# Altium PCB F405.PcbDoc (part 1 of 2) (continued)
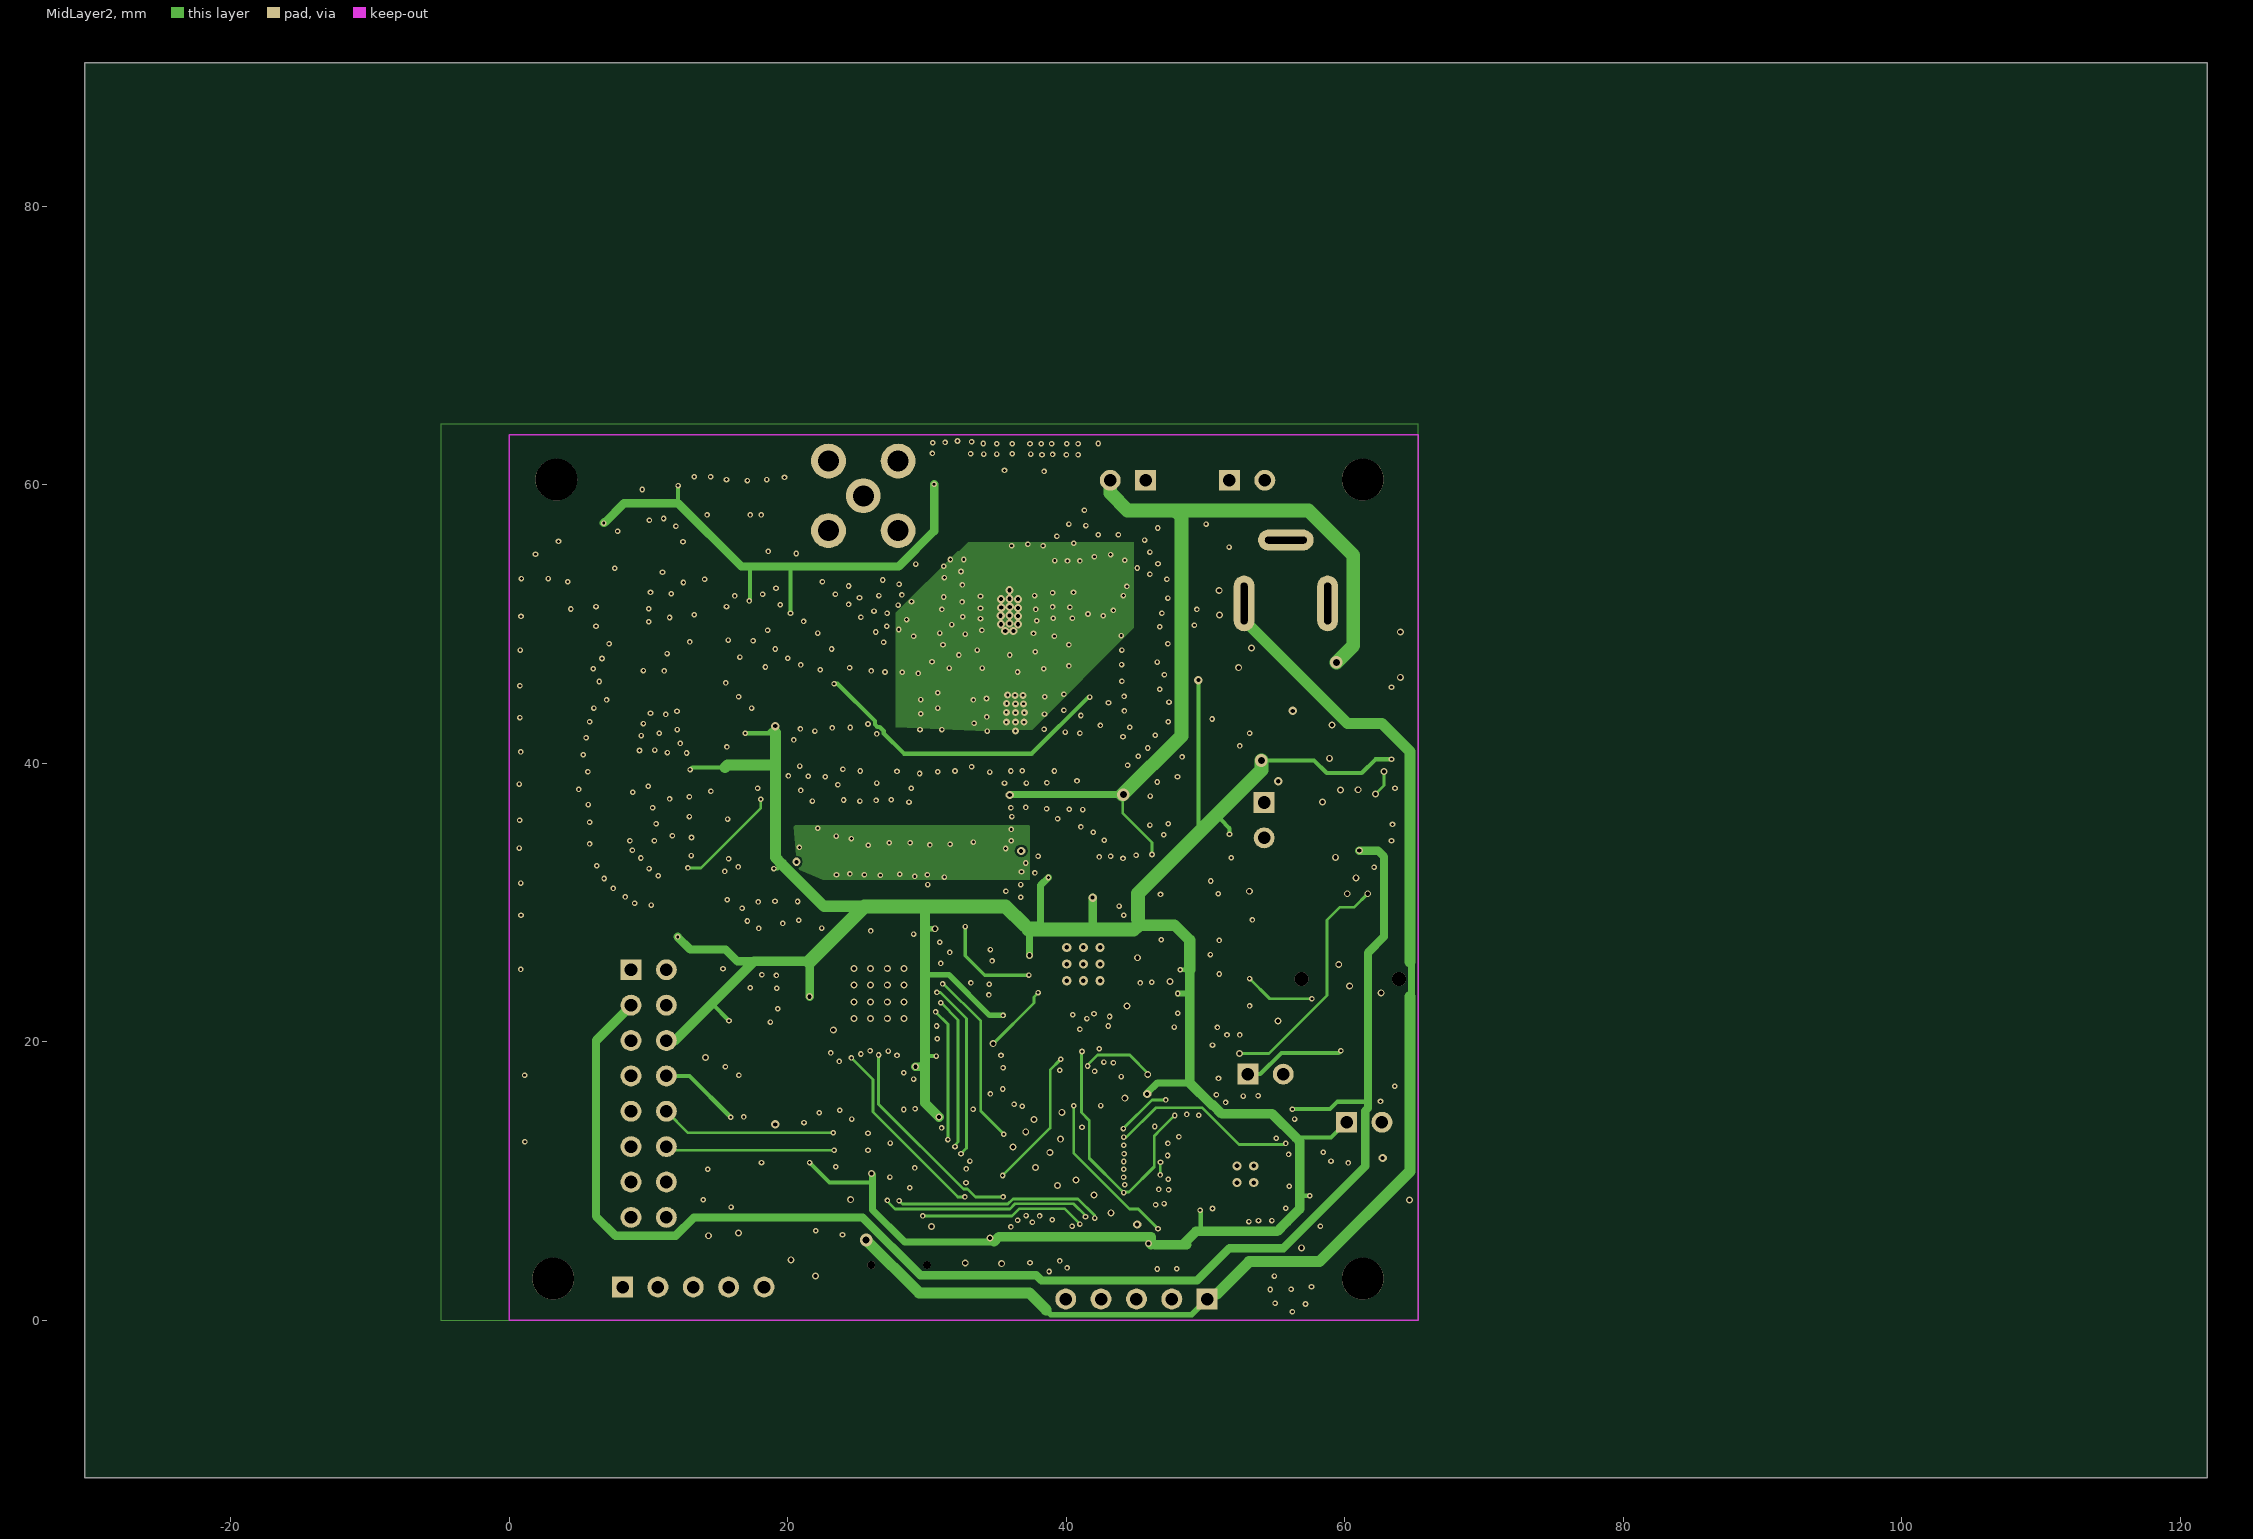
[diagram p3: MidLayer2]
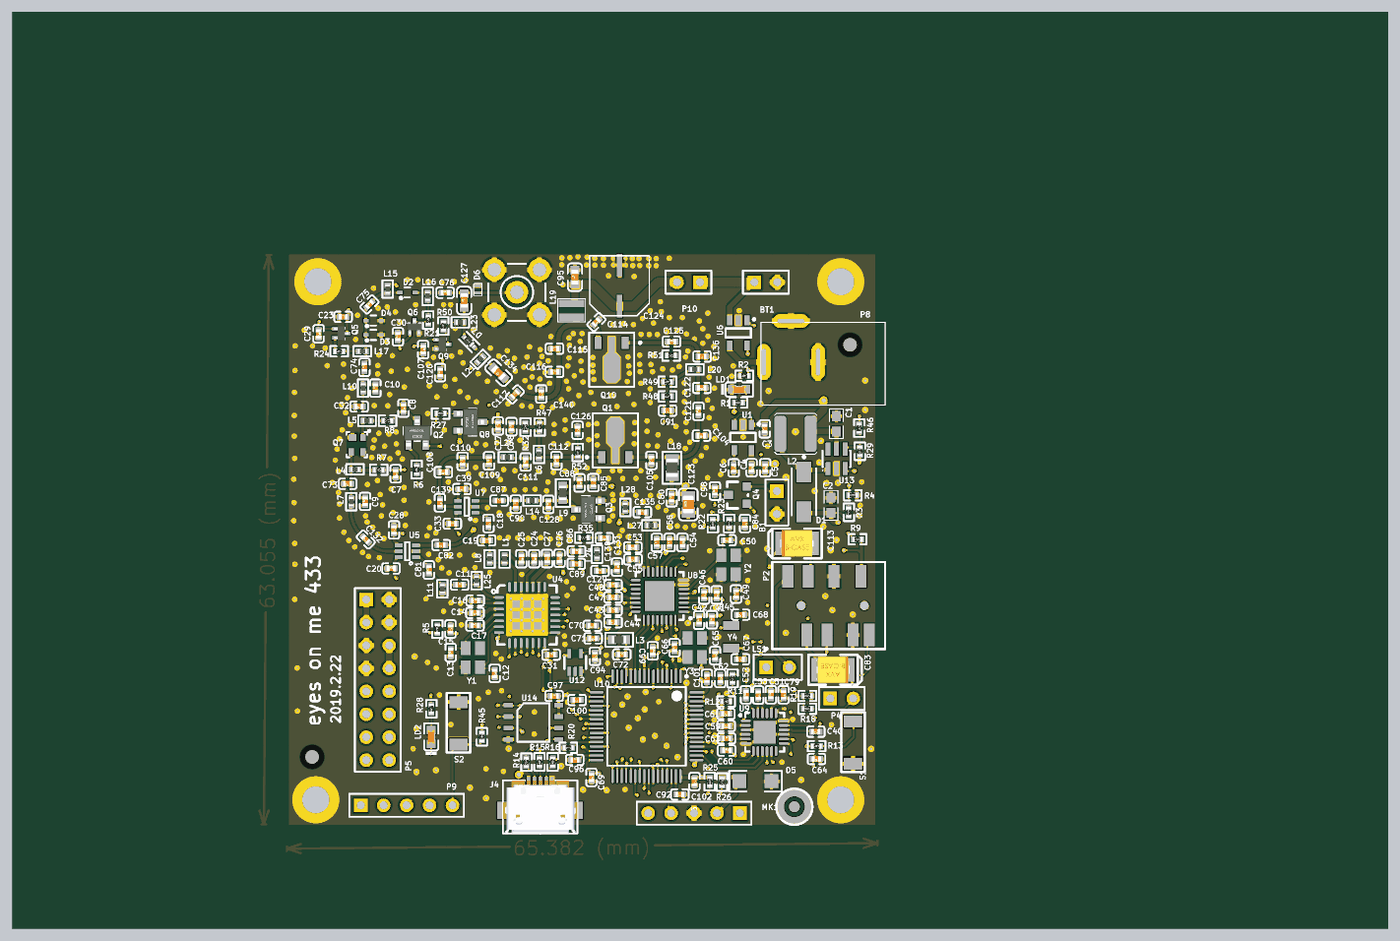
[diagram p5: 3D render of the assembled board from above, using the file's embedded part models]

## Layer stack, top to bottom
Top Solder: solder mask 0.0102, Solder Resist, Dk 3.5
Top Layer: signal copper 0.035
Dielectric1: core 0.2, FR-4, Dk 4.3
MidLayer1: signal copper 0.0356
Dielectric2: prepreg 1.12, FR-4, Dk 4.3
MidLayer2: signal copper 0.0356
Dielectric3: core 0.2, FR-4, Dk 4.3
Bottom Layer: signal copper 0.035
Bottom Solder: solder mask 0.0102, Solder Resist, Dk 3.5

## Board outline
-30.48,-11.303 121.92,-11.303 121.92,90.297 -30.48,90.297

## Design rules (kind name [scope] priority, off if disabled: settings)
Clearance Clearance_1 [All vs HasFootprint('SMB_V-RJ45')] p1: gap=0.15 ignorepadtopadclearanceinfootprint=FALSE except(0: Arc-Hole Track-Hole SMDPad-Hole THPad-Hole Via-Hole Fill-Poly Fill-Hole Poly-Hole Region-Hole Text-Hole; 0.5: THPad-Poly)
Clearance [All] p2: gap=0.15 ignorepadtopadclearanceinfootprint=FALSE except(0: Arc-Hole Track-Hole SMDPad-Hole THPad-Hole Via-Hole Fill-Poly Fill-Hole Poly-Hole Region-Hole Text-Hole; 0.254: THPad-Poly)
ComponentClearance [All] p1: gap=0 collisioncheckmode=3 verticalgap=0 showdistances=FALSE
PlaneConnect [All] p1 off: planeconnectstyle=Direct reliefexpansion=0.508 reliefentries=4 reliefconductorwidth=0.254 reliefairgap=0.254
PolygonConnect PolygonConnect_3 [All vs HasFootprint('BGB717L7ESD')] p1: connectstyle=Relief reliefconductorwidth=0.6 reliefentries=4 polygonreliefangle="90 Angle" airgapwidth=0.254
PolygonConnect PolygonConnect_2 [All vs InComponent('U4')] p2: connectstyle=Direct reliefconductorwidth=0.254 reliefentries=4 polygonreliefangle="90 Angle" airgapwidth=0.254
PolygonConnect PolygonConnect_1 [All vs HasFootprint('SMB_V-RJ45')] p3: connectstyle=Relief reliefconductorwidth=0.6 reliefentries=4 polygonreliefangle="90 Angle" airgapwidth=0.3
PolygonConnect [All vs HasFootprint ('SMA END LAUNCH JACK RECEPTACLE SHORT')  or HasFootprint ('LC-TO-252-5')] p4: connectstyle=Relief reliefconductorwidth=1.2 reliefentries=4 polygonreliefangle="90 Angle" airgapwidth=0.254
PolygonConnect "PolygonConnect SAW SMD PACKAGE" [InNet('GND') vs HasFootprint('7.0X5.0MM SMD PACKAGE')   or  HasFootprint('DCC6C_3.0X3.0MM')  or HasFootprint('MIC 6X2.7') or HasFootprint('HDR2X3_CEN')   or HasFootprint('HDR1X5')    or HasFootprint('电源插座') or HasFootprint('AVX_D_7343-31')   or HasFootprint('CJA1117')   or HasFootprint('MSD1260-473MLB') or HasFootprint('sop8') or HasFootprint('SMB_V-RJ45')  or Hasfootprint('SMA')   or HasFootprint('LC-CASE-B_3528')  or  Hasfootprint('1210')  or Hasfootprint('sot89')   or HasFootprint('Header 8X2A')] p5: connectstyle=Relief reliefconductorwidth=0.65 reliefentries=4 polygonreliefangle="90 Angle" airgapwidth=10
PolygonConnect "PolygonConnect SMD" [InNet('GND') vs HasFootprint('nd3225da - nd2520da') or HasFootprint('DD10_L') or HasFootprint('MSOP8')  or  HasFootprint('vqfn28_6x6mm') or HasFootprint('SOIC-SN8_L')  or HasFootprint('rlc_1206_smd capa pol') or HasFootprint('rlc_603_smd') or HasFootprint('rlc_402_smd') or HasFootprint('rlc_402_smd diode') or hasFootprint('rlc_805_smd') or HasFootprint('rlc_1210_smd')   or HasFootprint('MiniMold-6') or HasFootprint('DFN8_ 5x6mm') or HasFootprint('SC70-6') or HasFootprint('0603-2')    or HasFootprint('DIODE-SMA')  or HasFootprint('LC-SC-75(SOT-523)')    or HasFootprint('0402')     or HasFootprint('0603-1')   or HasFootprint('1206')   or HasFootprint('轻触开关/3x6x2.5')  or HasFootprint('LC-SOT-353')   or HasFootprint('SW-SPST')  or HasFootprint('W25Q64')  or     HasFootprint('LC-0402_C') or  HasFootprint('LC-0402_r')or HasFootprint('LC-0402_L')  or HasFootprint('TSLP-2-20')or HasFootprint('SC-79') or HasFootprint('LC-SOT-23(SOT-23-3)')or  HasFootprint('0603_C')  or HasFootprint('0603_L')or HasFootprint('0402_L') or HasFootprint('0402_R')  or  HasFootprint('0402_C') or HasFootprint('PJ30930-Q')or HasFootprint('0603_LED_S1') or HasFootprint('0805_C')   or HasFootprint('BFP740')   or HasFootprint('6.3x7.7')] p6: connectstyle=Relief reliefconductorwidth=0.4 reliefentries=4 polygonreliefangle="90 Angle" airgapwidth=10
PolygonConnect PolygonConnect_comp_diverse [InNet('GND') vs HasFootprint('CD1608-0603') or  HasFootprint('HDR34 Header') or  HasFootprint('BRIDGE_254MM') or  HasFootprint('pin_1mm') or HasFootprint('SMA_END_LAUNCH_JACK_RECEPTACLE') or HasFootprint('SMA END LAUNCH JACK RECEPTACLE SH')   or HasFootprint('HDR2X4_CEN') or HasFootprint('HDR1X2') or HasFootprint('HDR2X8_CEN')] p7: connectstyle=Relief reliefconductorwidth=0.6 reliefentries=4 polygonreliefangle="90 Angle" airgapwidth=0.254
PolygonConnect PolygonConnect_all [All] p8: connectstyle=Direct reliefconductorwidth=0.6 reliefentries=4 polygonreliefangle="90 Angle" airgapwidth=0.254
RoutingCorners [All] p1: cornerstyle=Round minsetback=1 maxsetback=100
RoutingVias [All] p1: holewidth=0.2 width=0.4 viastyle="Through Hole" minholewidth=0.2 minwidth=0.4 maxholewidth=2 maxwidth=1
SolderMaskExpansion [All] p1: expansion=0.102
Width [All] p1: maxlimit=3 minlimit=0.2 preferedwidth=0.2
27 further rules are at their usual default settings.

## Components (designator, comment, footprint, x,y, rotation, side; value= is the part's Value field where it differs from the comment)
B1 "BAT" HDR1X2 54.204,37.186 r270 top
BT1 "纽扣电池座" HDR1X2 51.714,60.325 r0 top
C1 "10uF" 0603-1 60.808,44.641 r270 top value=15pF
C2 "10uF" 0603-1 60.198,35.611 r270 top value=15pF
C3 "10uF" 0402_C 52.857,44.088 r90 top
C4 "100nF" 0402_C 51.41,39.776 r270 top
C5 "10uF" 0402_C 52.908,39.776 r270 top
C6 "1nF" 0402_C 49.428,39.758 r270 top
C7 "10nF" 0402_C 11.989,39.116 r270 top
C8 "1nF" 0402_C 12.852,46.38 r270 top
C9 "3.9pF" 0402_C 8.604,36.049 r90 top value=3pF
C10 "2pF" 0402_C 9.754,48.597 r90 top value=5pF
C11 "5pF" 0402_C 19.075,26.822 r0 top value=100pF
C12 "12pF" 0402_C 22.962,16.999 r270 top
C13 "12pF" 0402_C 18.085,19.311 r90 top
C14 "100nF" 0402_C 20.777,23.698 r180 top
C15 "100nF" 0402_C 18.059,21.92 r270 top
C16 "100nF" 0402_C 20.803,25.07 r0 top
C17 "100nF" 0402_C 20.777,22.301 r0 top
C18 "100pF" 0402_C 22.276,33.611 r270 top
C19 "6pF" 0402_C 22.066,31.725 r0 top value=12pF/nop
C20 "1nF" 0402_C 11.481,28.626 r0 top
C23 "NC" 0402_C 6.172,56.49 r0 top
C24 "10nF" 0402_C 27.33,29.699 r270 top
C25 "100pF" 0402_C 25.908,29.699 r270 top
C26 "100nF" 0402_C 30.15,29.75 r270 top
C27 "47pF" 0402_C 28.753,29.725 r270 top
C28 "1nF" 0402_C 11.811,32.893 r270 top
C29 "NC" 0402_C 3.454,54.61 r270 top
C30 "1nF" 0402_C 12.243,54.289 r90 top
C31 "100nF" 0402_C 29.21,19.075 r0 top
C32 "NC" 0402_C 7.95,46.558 r180 top
C33 "1nF" 0402_C 18.269,33.579 r0 top
C39 "1nF" 0402_C 19.329,37.414 r180 top
C40 "1uF" 0402_C 58.522,10.541 r180 top
C41 "100nF" 0402_C 47.015,22.943 r90 top
C42 "1nF" 0402_C 45.593,22.892 r90 top
C43 "1nF" 0402_C 36.068,24.028 r0 top
C44 "100nF" 0402_C 36.068,22.657 r180 top
C45 "100nF" 0402_C 47.549,25.686 r270 top
C46 "1nF" 0402_C 46.152,25.686 r270 top
C47 "1nF" 0402_C 36.068,25.425 r180 top
C48 "100nF" 0402_C 36.068,26.797 r0 top
C49 "12pF" 0402_C 49.682,25.788 r90 top value=20pF
C50 "12pF" 0402_C 48.692,31.75 r180 top value=20pF
C51 "4.7uF" 0402_C 53.543,14.637 r90 top
C52 "1uF" 0402_C 50.775,14.63 r90 top
C53 "100nF" 0402_C 38.259,30.963 r180 top
C54 "100nF" 0402_C 43.764,31.503 r270 top
C55 "1nF" 0402_C 38.285,29.616 r180 top
C56 "1uF" 0402_C 52.146,14.612 r270 top
C57 "1nF" 0402_C 40.919,31.503 r90 top
C58 "100nF" 0402_C 42.342,31.503 r90 top
C59 "4.7uF" 0402_C 48.59,11.176 r180 top
C60 "4.7uF" 0402_C 48.641,8.458 r0 top
C61 "220pF" 0402_C 48.565,12.522 r180 top
C62 "4.7uF" 0402_C 47.93,16.441 r270 top
C63 "4.7uF" 0402_C 48.616,9.804 r0 top
C64 "100nF" 0402_C 58.598,7.518 r180 top
C65 "12pF" 0402_C 47.371,18.974 r270 top
C66 "12pF" 0402_C 42.875,19.844 r90 top
C67 "12pF" 0402_C 50.165,18.567 r180 top
C68 "12pF" 0402_C 50.19,23.495 r180 top
C69 "100nF" 0402_C 33.68,5.486 r270 top
C70 "1uF" 0402_C 33.782,22.276 r180 top value=100nF
C71 "100nF" 0402_C 33.858,20.879 r180 top
C72 "1uF 6.3V" 0402_C 37.033,19.101 r0 top
C73 "3pF" 0402_C 6.68,37.998 r180 top value=5pF
C74 "10pF" 0402_C 8.534,50.902 r90 top value=15pF
C75 "100pF" 0402_C 9.093,57.861 r45 top
C76 "100pF" 0402_C 17.475,59.157 r0 top
C77 "10nF" 0402_C 23.324,44.406 r90 top value=100pF
C78 "100pF" 0402_C 24.816,44.323 r90 top value=1nF
C79 "4.7uF" 0402_C 54.94,14.637 r270 top
C80 "10nF" 0402_C 42.545,36.449 r90 top
C81 "120pF" 0402_C 15.672,28.455 r90 top value=100pF
C82 "120pF" 0402_C 17.037,31.217 r180 top value=100pF
C83 "220uF 6.3V" CASE-B_3528 60.427,17.399 r0 top value="470uF 6.3V"
C84 "1uF" 0402_C 50.673,33.597 r270 top
C85 "10uF" 0402_C 33.884,38.125 r270 top value=10nF
C86 "1nF" 0402_C 32.023,30.531 r0 top
C87 "120pF" 0402_C 23.444,36.144 r0 top value=100pF
C88 "10nF" 0402_C 32.36,38.1 r270 top value=100pF
C89 "100pF" 0402_C 31.997,29.134 r0 top
C90 "NC" 0402_C 25.298,35.738 r90 top value=10pF
C91 "100pF" 0402_C 42.113,46.101 r180 top value=10nF
C92 "2.2uF" 0402_C 43.459,3.581 r180 top
C94 "15pF" 0402_C 34.061,18.898 r270 top
C95 "10uF 6.3V" 0603_C 31.844,60.884 r90 top
C96 "2.2uF" 0402_C 31.826,7.417 r0 top
C97 "100nF" 0402_C 29.54,14.503 r0 top
C98 "100nF" 0402_C 47.346,37.192 r90 top
C99 "100nF" 0402_C 40.462,19.501 r270 top
C100 "100nF" 0402_C 32.08,14.046 r180 top
C101 "100nF" 0402_C 46.457,16.441 r90 top
C102 "100nF" 0402_C 45.085,5.029 r270 top
C104 "NC" 0402_C 45.847,43.332 r180 top
C105 "NC" 0402_C 40.31,40.589 r90 top
C107 "1nF" 0402_C 15.037,52.864 r270 top
C108 "6pF" 0402_C 17.279,39.294 r180 top value=5pF
C109 "22pF" 0402_C 22.327,40.538 r90 top
C110 "12pF" 0402_C 19.406,40.488 r90 top value=13pF
C111 "NC" 0402_C 26.391,40.411 r90 top value=?pF
C112 "NC" 0402_C 29.794,40.564 r90 top
C113 "220uF 6.3V" CASE-B_3528 56.439,31.394 r180 top value="470uF 6.3V"
C114 "NC" 0402_C 34.218,55.91 r225 top
C115 "10pF" 0402_C 29.584,52.959 r0 top
C116 "18pF" 0402_C 29.584,50.394 r0 top
C117 "NC" 0402_C 25.197,47.904 r45 top
C120 "10nF" 0402_C 16.916,50.311 r90 top
C121 "120pF" 0402_C 45.523,46.025 r90 top value=100pF
C122 "NC" 0402_C 45.898,48.616 r180 top
C123 "22uF" 0805_C 44.399,35.713 r90 top value=10nF
C124 "470uF 6.3V" 6.3x7.7 36.652,59.512 r270 top
C125 "100pF" 0402_C 42.545,53.746 r0 top value=100p
C126 "2.2nF" 0402_C 32.131,43.942 r270 top value=2.7nF
C127 "120pF" 0603_C 19.577,58.3 r90 top
C128 "NC" 0402_C 28.905,35.719 r90 top
C129 "NC" 0402_C 34.62,28.346 r0 top value=100pF
C130 "NC" 0402_C 35.103,31.979 r180 top value=8pF
C131 "NC" 0402_C 36.5,28.778 r270 top value=12pF/nop
C132 "120pF" 0402_C 8.687,31.826 r135 top value=68pF
C134 "120pF" 0603_C 23.393,50.292 r136 top
C135 "5pF" 0402_C 39.312,34.849 r0 top value=100pF
C136 "NC" 0402_C 45.93,52.095 r180 top
C139 "100pF" 0402_C 16.891,35.897 r270 top
C140 "18pF" 0402_C 28.118,47.937 r270 top
D1 "SS34" SMA 57.201,37.109 r270 top
D2 "HSC277" SC-79 13.386,59.131 r90 top
D3 "NC" SC-79 9.627,54.432 r90 top
D4 "NC" SC-79 9.627,56.032 r90 top
D5 "4V稳压管" 1206 51.841,5.055 r180 top
D6 "NC" TSLP-2-20 21.057,59.512 r0 top
D7 "BA892" LC-SOD-523 20.142,53.696 r135 top
J4 "usb" USB-MICRO 27.991,3.15 r0 top
L1 "47nH" 0402_L 24.054,29.674 r270 top
L2 "22uH" SMNR4020-220M 56.236,43.536 r270 top
L3 "4.7uH" 0603_L 36.728,20.726 r0 top
L4 "47nH" 0402_L 7.493,39.599 r0 top value=33nH
L5 "47nH" 0402_L 8.821,44.983 r0 top value=33nH
L6 "47nH" 0402_L 27.864,41.256 r90 top value=68nH
L7 "15nH" 0402_L 7.073,36.017 r90 top value=18nH
L8 "7.5nH" 0402_L 22.403,29.674 r90 top value=6.8nH
L9 "12nH" 0603_L 30.505,36.982 r90 top value=68nH
L10 "15nH" 0402_L 8.382,48.597 r90 top value=10nH
L11 "18nH" 0402_L 17.17,26.365 r90 top value=6.8nH
L14 "NC" 0402_L 27.102,36.144 r180 top value=10nH
L15 "47nH" 0402_L 11.1,59.57 r270 top value=100nH
L16 "47nH" 0402_L 15.545,58.757 r90 top value=100nH
L17 "NC" 0402_L 8.306,52.68 r0 top value=100nH
L18 "12nH" 0805_L 42.596,39.776 r270 top value=68nH
L19 "Inductor" 0908-12N 31.445,57.277 r180 top value=33nH
L20 "47nH" 0402_L 45.129,50.673 r180 top value=33nH
L21 "47nH" 0402_L 21.361,51.791 r45 top value=100nH
L23 "47nH" 0402_L 19.152,55.88 r0 top value=100nH
L24 "NC" 0402_L 34.29,30.201 r90 top value=6.8nH
L25 "18nH" 0402_L 20.955,27.28 r270 top value=6.8nH
L26 "12nH" 0402_L 24.359,40.945 r0 top value=68nH
L27 "18nH" 0402_L 40.259,33.401 r180 top value=6.8nH
L28 "18nH" 0402_L 37.414,35.375 r270 top value=6.8nH
LD1 "LED" 0603_LED_S1 50.013,48.438 r0 top
LD2 "LED" 0603_LED_S1 15.926,9.949 r90 top
LS1 "Speaker" PIN2 53.035,17.678 r0 top
MK1 "Mic2" 4013_mic 56.159,2.21 r270 top locked
P2 "PJ30930-Q" PJ30930-Q 59.995,24.841 r180 top locked
P3 "SMB" SMB_V-RJ45 25.42,59.207 r0 top locked
P4 "Header 2" HDR1X2 60.122,14.224 r0 top
P5 "Header 8X2A" HDR2X8_CEN 8.738,25.171 r270 top locked
P6 "Header 5" HDR1X5 50.114,1.524 r180 top locked
P8 "Header 3" 电源插座 59.852,51.505 r0 top locked
P9 "Header 5" HDR1X5 8.128,2.388 r0 top
P10 "Header 2" HDR1X2 45.695,60.325 r180 top
Q1 "2SK3078A" sot-89 36.322,42.326 r0 top locked
Q2 "WST2339" LC-SOT-23(SOT-23-3) 14.376,43.637 r270 top
Q3 "2SC3356" LC-SOT-23(SOT-23-3) 33.299,35.154 r0 top
Q4 "BAT54C" SOT-23-BAT54C 50.876,35.789 r90 top
Q5 "NC" LC-SC-75(SOT-523) 5.944,54.661 r180 top
Q6 "DTC114EE" LC-SC-75(SOT-523) 14.072,55.361 r270 top
Q7 "BFP740ESD" BFP740 7.755,42.366 r180 top
Q8 "WST2339" LC-SOT-23(SOT-23-3) 20.269,44.831 r180 top
Q9 "DTC114EE" LC-SC-75(SOT-523) 17.12,53.442 r180 top
Q10 "RD02LUS2" sot-89 35.914,52.232 r180 top locked
R1 "680R" 0402_R 49.962,46.99 r180 top
R2 "1.6kR" 0402_R 50.597,49.962 r180 top value=2K
R3 "20kR" 0402_R 62.179,34.849 r270 top value=20k
R4 "2.7kR" 0402_R 62.611,36.728 r180 top value=2.7k
R5 "100kR" 0402_R 16.612,21.902 r270 top value=100K
R6 "1kR" 0402_R 14.326,39.573 r270 top value=1k
R7 "22R" 0402_R 10.116,39.548 r0 top
R8 "120kR" 0402_R 11.1,44.983 r0 top value=11k
R9 "10kR" 0402_R 63.144,31.852 r180 top value=0R
R11 "680R" 0402_R 49.301,16.441 r90 top
R12 "100kR" 0402_R 48.59,13.894 r0 top
R13 "100kR" 0402_R 58.605,8.941 r180 top value=100K
R14 "22R" 0402_R 26.467,7.17 r270 top
R15 "22R" 0402_R 27.915,7.195 r270 top
R16 "560R" 0402_R 29.388,7.195 r270 top
R18 "10kR" 0402_R 57.582,13.081 r180 top value=10K
R19 "100kR" 0402_R 57.582,14.503 r180 top value=100K
R20 "100kR" 0402_R 31.115,8.763 r0 top value=100K
R21 "1.5kR" 0402_R 15.596,56.134 r270 top value=150
R22 "100kR" 0402_R 47.117,33.604 r270 top value=nop
R23 "100kR" 0402_R 48.92,33.611 r90 top value=nop
R24 "NC" 0402_R 5.74,52.68 r180 top value=300
R25 "10kR" 0402_R 46.761,5.011 r90 top value=10k
R26 "10kR" 0402_R 48.133,4.96 r90 top value=10K
R27 "1kR" 0402_R 16.974,45.771 r180 top value=1k
R28 "680R" 0402_R 15.951,13.074 r90 top
R29 "0R" 0402_R 63.398,41.604 r270 top
R32 "4.3kΩ" 0402_R 26.365,44.279 r270 top value=10KΩ
R35 "NC" 0402_R 32.849,32.029 r0 top value=10KΩ
R45 "10kR" 0402_R 21.539,9.982 r90 top value=100K
R46 "0R" 0402_R 63.322,44.177 r90 top
R47 "3kR" 0402_R 27.94,44.298 r270 top value=10KΩ
R48 "3.9kR" 0402_R 42.088,47.676 r0 top value=3.9k
R49 "3.3kR" 0402_R 42.088,49.301 r180 top value=3.3k
R50 "150R" 0402_R 17.272,55.474 r270 top
R51 "68R" 0402_R 42.494,52.197 r0 top
R52 "56R" 0402_R 32.156,41.471 r270 top
S1 "SW-PB" SW-SPST 62.636,6.985 r90 top
S2 "SW-PB" SW-SPST 18.948,9.119 r90 top
U1 "RT9020" LC-SOT-23-5 50.444,43.126 r90 top
U4 "SX1278" SX1278 26.543,23.47 r0 top
U5 "PE4259" SC70-6 13.284,30.531 r180 top
U6 "TP4054" LC-SOT-23-5 49.936,54.712 r90 top
U7 "PE4259" SC70-6 19.863,35.458 r180 top
U8 "AT1846S" AT1846S 41.224,25.578 r0 top
U9 "WM8974" Wm8974 52.857,10.49 r0 top
U10 "STM32F405RGT6" TQFP64_L 39.776,11.151 r270 top locked
U12 "74AHC1G04" LC-SOT-353 31.877,18.212 r270 top
U13 "MT3608" SOT23-6 60.808,40.767 r0 top
U14 "W25Q64" W25Q64 26.492,11.582 r0 top
Y1 "32Mhz" "nd3225da - nd2520da" 20.549,18.745 r90 top
Y2 "13MHz" "nd3225da - nd2520da" 48.844,29.007 r90 top
Y3 "8MHz" "nd3225da - nd2520da" 45.11,19.863 r270 top
Y4 "32.768KHz" 3215 48.92,20.041 r180 top

## Footprints (in the part's own frame and the unit in brackets; to place one, negate y for a bottom-side part, rotate by r counter-clockwise, add the part's x,y. Pads: shape width x height; smd on the part's side, far side on the other; paste and mask are expansions set on the pad)
6.3x7.7 [mm]
  rect 2.5x0.6 smd: 1(1.854,0.152) 2(-2.692,0.152)
  silkscreen extent -3.73,-3.18 2.9,3.43
0402_C [mm]
  rect 0.6x0.65 smd mask+0.051: 1(-0.425,0) 2(0.425,0)
  silkscreen extent -0.97,-0.58 0.97,0.58, body extent -0.48,-0.3 0.52,0.3, height 0.2
0402_L [mm]
  rect 0.6x0.65 smd mask+0.051: 1(-0.425,0) 2(0.425,0)
  silkscreen extent -0.97,-0.58 0.97,0.58, body extent -0.51,-0.26 0.54,0.26, height 0.36
0402_R [mm]
  rect 0.6x0.65 smd mask+0.051: 1(-0.425,0) 2(0.425,0)
  silkscreen extent -0.97,-0.58 0.97,0.58, body extent -0.57,-0.27 0.58,0.28, height 0.41
0603-1 [mm] "贴片带丝印"
  rect 1.1x1 smd: 1(-0.85,0) 2(0.85,0)
  silkscreen extent -1.65,-0.76 1.65,0.76, body extent -1.14,-0.38 1.14,0.38, height 1
0603_C [mm]
  rect 0.93x0.98 smd: 1(-0.77,0) 2(0.77,0)
  silkscreen extent -1.53,-0.79 1.54,0.79, body extent -0.8,-0.4 0.8,0.4, height 0.3
0603_L [mm]
  rect 0.93x0.98 smd: 1(-0.77,0) 2(0.77,0)
  silkscreen extent -1.53,-0.79 1.54,0.79, body extent -0.82,-0.41 0.83,0.41, height 0.46
0603_LED_S1 [mm]
  rect 0.93x0.98 smd: A(0.77,0) K(-0.77,0)
  silkscreen extent -1.97,-0.79 1.54,0.79, body extent -0.8,-0.4 0.8,0.4, height 0.6
0805_C [mm]
  rect 1.16x1.47 smd: 1(-0.89,0) 2(0.89,0)
  silkscreen extent -1.77,-1.04 1.77,1.04, body extent -1,-0.62 1,0.63, height 0.77
0805_L [mm]
  rect 1.16x1.47 smd: 1(-0.89,0) 2(0.89,0)
  silkscreen extent -1.77,-1.04 1.77,1.03, body extent -1.02,-0.64 1.03,0.64, height 0.6
0908-12N [mm]
  rect 2.8x0.8 smd mask+0.05: 1(-0.025,0.82) 2(-0.025,-0.686)
  silkscreen extent -1.57,-1.22 1.5,1.35
1206 [mil] "贴片元件"
  rect 60x60 smd: 1(-70,0) 2(70,0)
  silkscreen extent -115,-45 115,45, body extent -75,-35 75,35, height 39
3215 [mm]
  rect 1.8x1 smd: 1(-0.254,0.254) 2(-0.254,-2.246)
4013_mic [mm]
  round 1.2 smd: 1(-0.019,-0.019)
  round 0.7 smd: 2(0.159,1.481)
  Top Layer circle w0.7: c-0.019,-0.019 r1.5
  silkscreen extent -2.02,-2.02 1.98,1.98
AT1846S [mm]
  oval 1.1x0.25 smd: 1(2.65,-1.75) 2(2.65,-1.25) 3(2.65,-0.75) 4(2.65,-0.25) 5(2.65,0.25) 6(2.65,0.75) 7(2.65,1.25) 8(2.65,1.75) 17(-2.65,1.75) 18(-2.65,1.25) 19(-2.65,0.75) 20(-2.65,0.25) 21(-2.65,-0.25) 22(-2.65,-0.75) 23(-2.65,-1.25) 24(-2.65,-1.75)
  oval 0.25x1.1 smd: 9(1.75,2.65) 10(1.25,2.65) 11(0.75,2.65) 12(0.25,2.65) 13(-0.25,2.65) 14(-0.75,2.65) 15(-1.25,2.65) 16(-1.75,2.65) 25(-1.75,-2.65) 26(-1.25,-2.65) 27(-0.75,-2.65) 28(-0.25,-2.65) 29(0.25,-2.65) 30(0.75,-2.65) 31(1.25,-2.65) 32(1.75,-2.65)
  rect 3.3x3.3 smd: 33(0,0)
  silkscreen extent -2.65,-2.65 3.55,2.65, body extent -2.58,-2.58 2.58,2.58, height 0.8
BFP740 [mm]
  rect 0.6x0.8 smd: 1(-0.602,-0.763) 3(0.698,0.837) 4(-0.602,0.837)
  rect 0.9x0.8 smd: 2(0.548,-0.763)
  silkscreen extent -1.41,-1.59 1.2,1.44